# Altium PCB 28Pins_Project_1.1_PCB.PcbDoc (part 2 of 2)
Units mil, origin at the board's own origin, x right, y up, seen from the top; angles counter-clockwise.
Board outline 2700 x 2100 mil, 2 copper layers (L1, L2), stack 65.827 mil thick; 106 components, 71 nets, 323 pads, 107 vias.
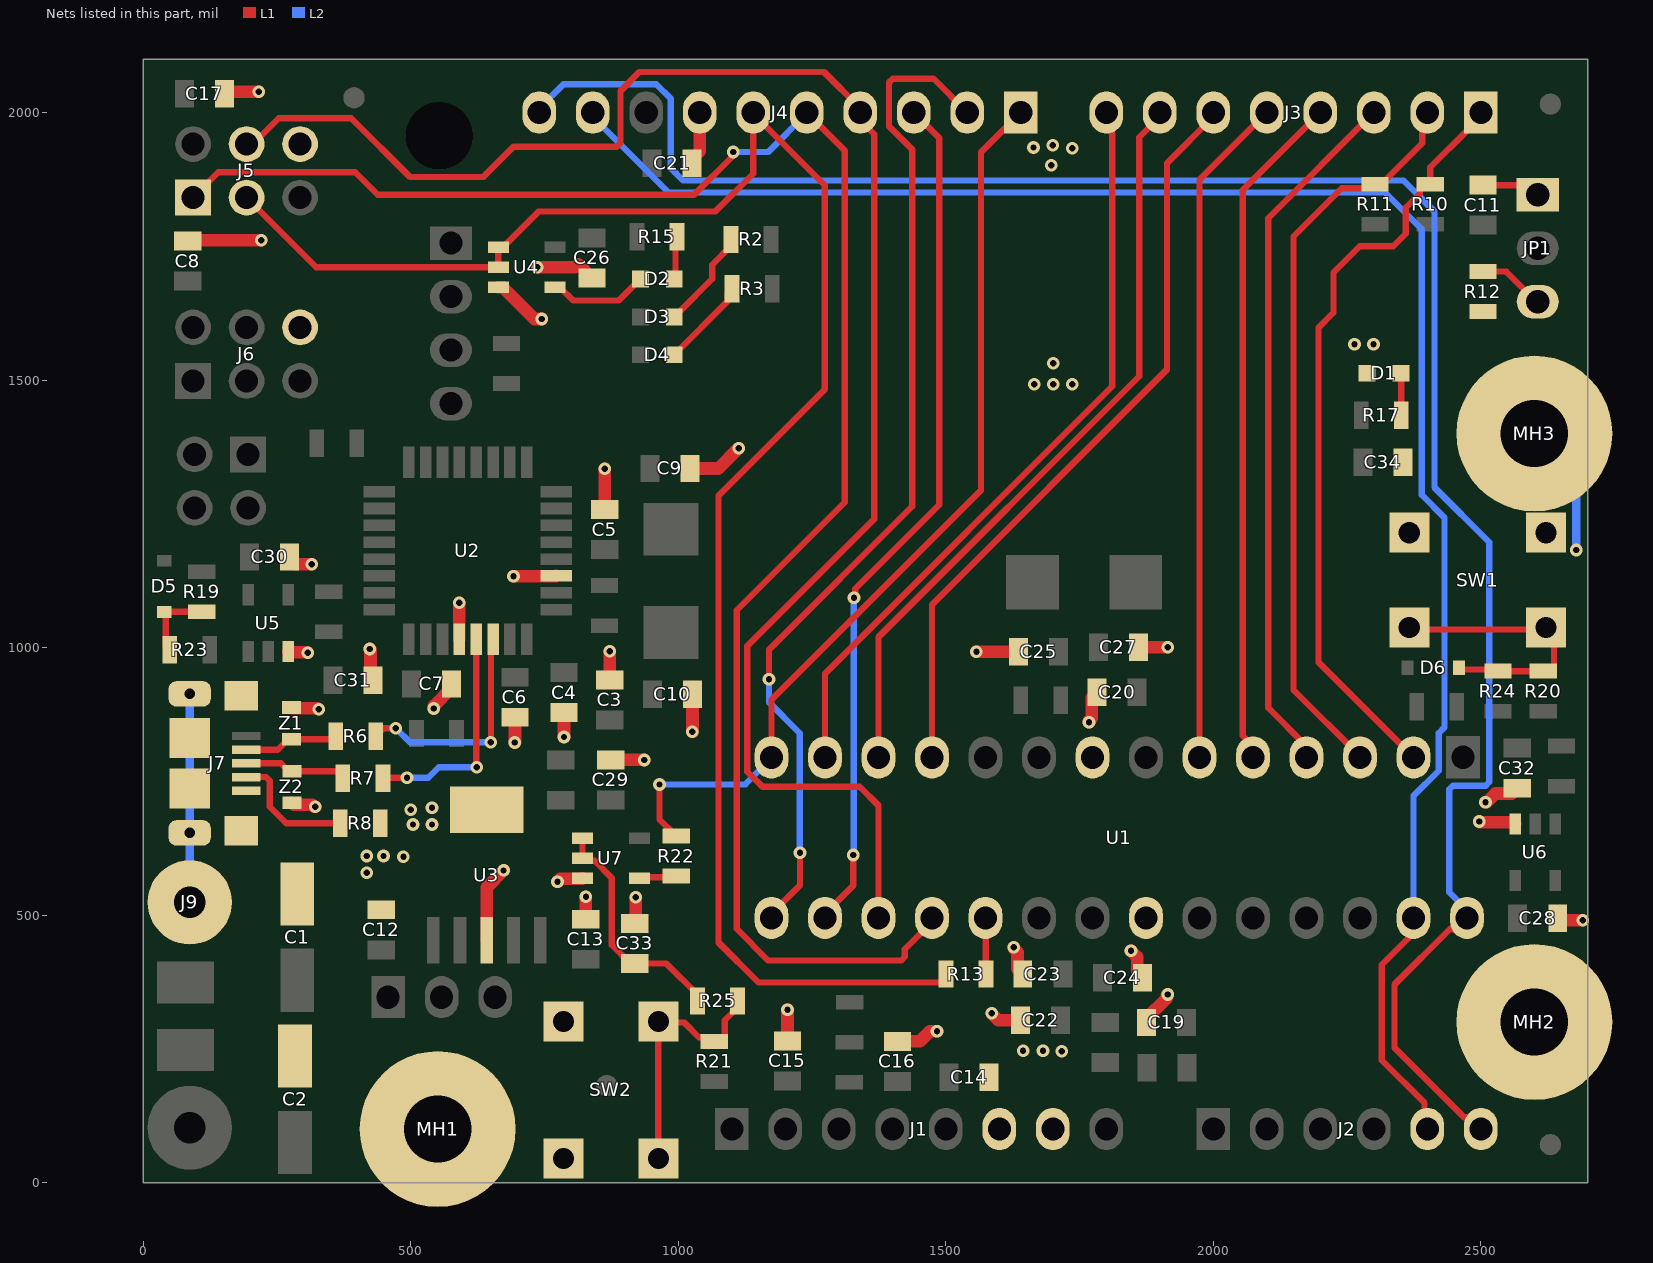
[diagram p2: the nets of this part, all layers, seen from the top]

## Via types
v1: diameter 23.62, hole 11.81, L1 to L2, 100 vias
v2: diameter 23.62, hole 11.81, L1 to L2, tented both sides, 7 vias

## Nets (pads, with @x,y where several pads share a name; then routed paths per layer and width w, separated by ;. In a path a pad name is that pad's centre, name@x,y a point inside that pad or via, vN(x,y) a via of type N, cw(c..) or ccw(c..) an arc to the next point about the centre after c; other vN are vias at no path point) (continued)
AD4/SDA: J2.5 J4.9 U1.27 | length 3427.8
  L1 w11.81: U1.27@2374.02,494.61 2364.22,484.81 2364.22,456.24 2314.96,406.98 2314.96,228.35 2394.73,148.58 2394.73,105.27 J2.5@2400,100
  L2 w11.81: J4.9@840,2000 840,1992.13 981.73,1850.39 2321.11,1850.39 2389.76,1781.74 2389.76,1285.24 2432.06,1242.94 2432.06,850.88 2421.26,840.08 2421.26,769.95 2374.02,722.7 U1.27@2374.02,494.61
AD5/SCL: J2.6 J4.10 U1.28 | length 3847.5
  L1 w11.81: U1.28@2474.02,494.61 2468.04,494.61 2446.57,473.13 2441.64,473.13 2338.58,370.08 2338.58,251.97 2468.35,122.2 2471.82,122.2 2494.02,100 J2.6@2500,100
  L2 w11.81: J4.10@740,2000 740,2007.87 785.28,2053.15 958.75,2053.15 985.63,2026.27 985.63,1896.26 1009.06,1872.83 2355.51,1872.83 2413.39,1814.96 2413.39,1299.21 2515.75,1196.85 2515.75,748.77 2508.83,741.85 2447.86,741.85 2440.94,734.93 2440.94,542.86 2474.02,509.79 U1.28@2474.02,494.61
BUTTON_RESETn: D6.2 R20.1 R24.1 SW1.1 SW1.2 | length 534.9
  L1 w11.81: SW1.2@2366.14,1037.4 2369.69,1033.86 2618.5,1033.86 SW1.1@2622.05,1037.4 2636.61,1022.83 2636.61,963.78 R20.1@2628.74,955.91 ; D6.2@2459.03,961.81 2461.98,958.86 2528.94,958.86 R24.1@2532.48,955.31 ; R24.1@2531.89,955.91 R24.1@2532.48,955.31 ; R20.1@2616.93,955.91 R20.1@2628.74,955.91 ; R24.1@2532.48,955.31 2533.07,955.91 R20.1@2628.74,955.91
CON_USB_N: J7.2 R6.1 Z1.2 | length 178
  L1 w11.81: J7.2@191.93,809.06 251.18,809.06 270.87,828.74 353.94,828.74 R6.1@359.45,834.25
CON_USB_P: J7.3 R7.1 Z2.2 | length 195.3
  L1 w11.81: J7.3@191.93,783.46 257.09,783.46 271.65,768.9 364.96,768.9 372.83,761.02 R7.1@372.83,755.91
GND: C1.2 C2.2 C3.1 C4.1 C5.2 C6.1 C7.1 C8.1 C9.1 C10.1 C12.1 C13.1 C14.1 C15.1 C16.1 C17.1 C19.1 C20.1 C21.1 C22.1 C23.1 C24.1 C25.1 C26.1 C27.1 C28.1 C29.1 C30.1 C31.1 C32.1 C33.1 C34.1 D1.1 J1.6 J1.7 J4.7 J5.6 J6.6 J7.5 J7.6 J7.7 J7.8 J7.9 J7.10 J7.11 J9.1 MH1.1 MH2.1 MH3.1 R8.2 R12.1 SW1.3 SW1.4 SW2.3 SW2.4 U1.8 U1.22 U2.3 U2.28 U3.3 U3.6 U4.3 U5.3 U6.3 U7.3 Z1.1 Z2.1 | length 3136.8
  L1 w23.62: C8.1@82.68,1759.84 C8.1@84.26,1761.43 ; C8.1@84.27,1761.42 v1(220.47,1761.42) ; C17.1@151.57,2035.43 154.95,2038.81 v1(215.78,2038.81) ; U5.3@270.42,992.37 271.53,991.26 306.37,991.26 v1(307.48,990.16) ; C30.1@273.23,1169.29 273.23,1165.75 283.07,1155.91 v1(314.96,1155.91) ; Z1.1@276.77,887.8 278.29,886.28 326.1,886.28 v1(327.61,884.77) ; Z2.1@277.56,709.84 281.5,705.91 315.71,705.91 319.11,702.51 v1(321.24,702.51) ; v1(422.93,997.15) 424.44,995.64 424.44,943.28 C31.1@429.13,938.58 ; v1(542.91,886.06) 542.91,890.94 575.98,924.02 C7.1@575.98,931.89 ; U2.28@590.55,1015.75 v1(590.55,1083.46) ; U3.3@641.73,452.76 641.73,551.81 673.23,583.3 v1(673.23,583.36) ; U4.3@663.39,1673.23 672.24,1673.23 731.3,1614.17 v1(744.88,1614.17) ; v1(691.73,1133.07) 770.87,1133.07 U2.3@771.65,1133.86 ; v1(694.09,822.44) 694.49,822.83 C6.1@694.49,869.69 ; v1(736.14,1710.72) 807.18,1710.72 812.99,1716.54 C26.1@838.58,1690.94 ; v1(774.02,562.2) 779.72,567.91 819.88,567.91 U7.3@820.87,568.9 ; v1(786.22,832.68) C4.1@786.22,878.35 ; C13.1@826.77,492.13 827.17,492.52 v1(827.17,534.25) ; C5.2@862.2,1257.87 862.2,1333.86 v1(862.6,1334.25) ; C3.1@871.65,939.37 v1(871.65,993.31) ; C29.1@873.62,790.16 873.84,789.94 936.05,789.94 v1(936.27,789.71) ; C33.1@918.11,484.25 920.28,486.42 v1(920.28,533.27) ; C9.1@1021.65,1334.65 1074.8,1334.65 v1(1112.6,1372.44) ; C21.1@1025.59,1905.51 1025.59,1913.39 1040,1927.8 J4.7@1040,2000 ; v1(1025.98,842.52) 1026.38,842.91 C10.1@1026.38,912.6 ; C15.1@1203.94,264.57 v1(1203.94,322.83) ; C16.1@1409.45,263.78 1451.18,263.78 1470.08,282.68 v1(1483.46,282.68) ; v1(1557.09,992.13) C25.1@1635.83,992.13 ; v1(1585.43,316.14) 1598.43,303.15 C22.1@1639.76,303.15 ; v1(1626.7,439.88) 1626.7,437.75 1633.86,430.6 1633.86,399.61 C23.1@1643.7,389.76 ; v1(1767.4,860.55) 1767.4,862.68 1772.83,868.11 1772.83,906.3 C20.1@1782.68,916.14 ; v1(1846.09,433.19) 1846.09,432.96 1857.48,421.57 1857.48,392.91 C24.1@1867.32,383.07 ; C27.1@1859.84,1000.79 v1(1914.91,1000.79) ; C19.1@1875.2,299.21 1875.2,307.09 1913.06,344.95 1913.06,350.07 v1(1914.57,351.57) ; v1(2496.85,674.8) 2498.36,673.3 2561.35,673.3 U6.3@2564.17,670.47 ; v1(2508.69,710.61) 2510.82,710.61 2527.38,727.17 2557.87,727.17 C32.1@2567.72,737.01 ; C28.1@2643.65,493.75 2646.97,490.43 v1(2690.42,490.43)
  L2 w15.75: J9.1@86.61,523.62 J7.9@86.61,653.54 J7.8@86.61,913.39 ; MH3.1@2600,1400 2678.35,1321.65 v1(2678.35,1182.28)
  other v1: 1681.5,246.06 417.32,578.74 486.01,609.17 417.32,610.24 448.82,610.24 503.94,669.29 539.37,669.29 500,696.85 539.37,700.79 1665.35,1492.13 1700.79,1492.13 1736.22,1492.13 1700.79,1531.5 2263.78,1566.93 2299.21,1566.93 1696.82,1901.46 1736.22,1933.07 1663.84,1934.69 1699.98,1938.58
  other v2: 1644.27,246.14 1716.4,245.64
IO0: J3.1 R10.2 U1.2 | length 1448.4
  L1 w11.81: U1.2@2374.02,794.61 2196.42,972.21 2196.42,1598.02 2224.41,1626.01 2224.41,1700.79 2273.62,1750 2336.33,1750 2359.65,1773.31 2359.65,1822.24 2385.83,1848.43 2385.83,1858.27 2393.7,1866.14 R10.2@2405.51,1866.14 2405.51,1897.64 2474.41,1966.54 2500,1992.13 J3.1@2500,2000
IO1: J3.2 R11.2 U1.3 | length 1399.3
  L1 w11.81: U1.3@2274.02,794.61 2274.02,796.85 2149.61,921.26 2149.61,1767.72 2240.16,1858.27 2306.1,1858.27 2321.85,1874.02 2390.21,1942.37 2390.21,1990.21 J3.2@2400,2000
IO2: J3.3 U1.4 | length 1316.9
  L1 w11.81: U1.4@2174.02,794.61 2174.02,815.5 2102.36,887.15 2102.36,1802.36 J3.3@2300,2000
IO3: J3.4 U1.5 | length 1273.2
  L1 w11.81: U1.5@2074.02,794.61 2074.02,816.09 2055.12,834.99 2055.12,1855.12 J3.4@2200,2000
IO4: J3.5 U1.6 | length 1258.1
  L1 w11.81: U1.6@1974.02,794.61 1974.02,1874.02 J3.5@2100,2000 J3.5@2100.39,1999.61
IO5: J3.6 U1.11 | length 1423.3
  L1 w11.81: U1.11@1474.02,794.61 1474.02,1080.31 1913.39,1519.69 1913.39,1905.51 2000,1992.13 J3.6@2000,2000
IO6: J3.7 U1.12 | length 1423.3
  L1 w11.81: U1.12@1374.02,794.61 1374.02,1019.69 1861.52,1507.19 1861.52,1953.65 1900,1992.13 J3.7@1900,2000
IO7: J3.8 U1.13 | length 1432.4
  L1 w11.81: U1.13@1274.02,794.61 1274.02,951.18 1811.02,1488.19 1811.02,1959.62 1809.79,1960.85 1809.79,1990.21 J3.8@1800,2000
IO8: J4.1 R22.2 U1.14 | length 1739.3
  L1 w11.81: v1(964.57,744.09) 964.57,679.13 R22.2@996.06,647.64 ; U1.14@1174.02,794.61 1174.02,902.36 1565.71,1294.06 1565.71,1925.71 J4.1@1640,2000
  L2 w11.81: v1(964.57,744.09) 1125.21,744.09 1174.02,792.9 U1.14@1174.02,794.61
IO9: J4.2 U1.15 | length 1911.7
  L1 w11.81: v1(1169.29,940.94) 1169.52,941.17 1169.52,996.29 1437.01,1263.78 1437.01,1930.83 1393.7,1974.14 1393.7,2056.07 1400.62,2062.99 1477.01,2062.99 J4.2@1540,2000 ; U1.15@1174.02,494.61 1174.02,502.48 1227.36,555.83 v1(1227.36,616.14)
  L2 w11.81: v1(1169.29,940.94) 1169.29,897.64 1226.87,840.06 1226.87,616.63 v1(1227.36,616.14)
MISO: J4.5 J5.1 U1.18 | length 3327
  L1 w11.81: J5.1@92.91,1840.94 140.16,1888.19 395.98,1888.19 437.77,1846.4 1029.27,1846.4 1102.36,1919.49 v1(1102.36,1926.28) ; J4.5@1240,2000 1311.02,1928.98 1311.02,1271.65 1108.9,1069.53 1108.9,474.12 1168.16,414.86 1416.31,414.86 1423.23,421.78 1423.23,435.94 1474.02,486.73 U1.18@1474.02,494.61
  L2 w11.81: v1(1102.36,1926.28) 1167.66,1926.28 1240,1998.62 J4.5@1240,2000
MOSI: J4.4 J5.4 U1.17 | length 3201.4
  L1 w11.81: J5.4@192.91,1940.94 204.72,1940.94 253.15,1989.37 388.58,1989.37 498.43,1879.53 635.43,1879.53 691.68,1935.78 884.81,1935.78 891.73,1942.7 891.73,2040.35 927.17,2075.79 1272.09,2075.79 J4.4@1339.57,2008.31 ; J4.4@1340,2000 1340,1985.76 1366.14,1959.62 1366.14,1240.16 1128.74,1002.76 1128.74,767.98 1157.24,739.48 1339.26,739.48 1374.02,704.72 U1.17@1374.02,494.61
NetC11_2: C11.2 JP1.1 | length 109.7
  L1 w11.81: C11.2@2503.94,1864.17 2588.58,1864.17 JP1.1@2606.3,1846.46
NetD1_2: D1.2 R17.1 | length 79.1
  L1 w11.81: D1.2@2350.39,1512.8 2350.89,1512.3 2350.89,1434.55 R17.1@2351.38,1434.06
NetD2_1: D2.1 U4.4 | length 186.4
  L1 w11.81: U4.4@769.69,1673.23 778.54,1673.23 803.15,1648.62 888.78,1648.62 D2.1@929.13,1688.98
NetD2_2: D2.2 R15.1 | length 81.3
  L1 w11.81: D2.2@992.13,1688.98 994.69,1691.54 994.69,1765.55 R15.1@997.24,1768.11
NetD3_2: D3.2 R2.1 | length 188.7
  L1 w11.81: D3.2@992.13,1618.11 1001.97,1627.95 1062.99,1688.98 1062.99,1715.55 1098.43,1750.98 R2.1@1098.43,1762.8
NetD4_2: D4.2 R3.2 | length 167.9
  L1 w11.81: D4.2@992.13,1547.24 1092.52,1647.64 1092.52,1662.4 R3.2@1100.39,1670.28
NetD5_2: D5.2 R19.1 R23.1 | length 143.5
  L1 w11.81: D5.2@39.37,1066.17 D5.2@41.87,1066.17 ; R23.1@49.21,996.06 41.87,1003.41 D5.2@41.87,1066.17 ; R19.1@109.4,1067 108.99,1066.59 42.28,1066.59 D5.2@41.87,1066.17
NetJ7_4: J7.4 R8.1 | length 240.6
  L1 w11.81: J7.4@191.93,757.87 229.3,757.87 236.22,750.96 236.22,702.17 267.13,671.26 R8.1@368.11,671.26
NetJP1_3: JP1.3 R12.2 | length 125.7
  L1 w11.81: R12.2@2503.94,1702.76 2547.24,1702.76 2603.54,1646.46 JP1.3@2606.3,1646.46
NetR22_1: R22.1 U7.4 | length 70.5
  L1 w11.81: U7.4@927.17,568.9 929.13,570.87 994.09,570.87 R22.1@996.06,572.83
SCK: J4.6 J5.3 R13.2 U4.1 U4.2 | length 3365.8
  L1 w11.81: J5.3@192.91,1840.94 323.23,1710.63 U4.2@663.39,1710.63 U4.1@663.39,1748.03 672.24,1748.03 739.17,1814.96 1069.08,1814.96 1140,1885.88 1140,1985.98 J4.6@1140,2000 1140,1997.8 1273.62,1864.17 1273.62,1482.28 1074.94,1283.6 1074.94,448.69 1149.61,374.02 1492.13,374.02 1500,381.89 R13.2@1500,389.76
SCK_R: R13.1 U1.19 | length 105.2
  L1 w11.81: U1.19@1574.02,494.61 1574.41,494.21 1574.41,390.16 R13.1@1574.8,389.76
SS: J4.3 U1.16 | length 1613.6
  L1 w11.81: U1.16@1274.02,494.61 1274.02,502.48 1326.77,555.24 v1(1326.77,612.2) ; v1(1328.25,1093.01) 1330.43,1095.19 1330.43,1109.95 1487.66,1267.19 1487.66,1952.34 J4.3@1440,2000
  L2 w11.81: v1(1326.77,612.2) 1327.76,613.19 1327.76,1092.52 v1(1328.25,1093.01)
USB_N: R6.2 U2.30 | length 426.7
  L1 w11.81: R6.2@434.25,834.25 449.11,849.11 v1(471.95,849.11) ; v1(649.21,822.83) 649.61,823.23 649.61,1011.81 U2.30@653.54,1015.75
  L2 w11.81: v1(471.95,849.11) 498.23,822.83 v1(649.21,822.83)
USB_P: R7.2 U2.29 | length 425.2
  L1 w11.81: R7.2@447.64,755.91 450.59,758.86 452.76,756.69 v1(492.77,756.69) ; U2.29@622.05,1015.75 622.44,1015.35 622.44,776.77 v1(622.83,776.38)
  L2 w11.81: v1(492.77,756.69) 532.71,756.69 552.39,776.38 v1(622.83,776.38)
USER_BUTTON: R21.1 R25.1 SW2.1 SW2.2 | length 476.3
  L1 w11.81: SW2.2@962.6,45.28 SW2.1@962.6,301.18 964.75,299.03 1010.8,299.03 1038.17,271.65 1070.87,271.65 1078.74,263.78 1086.61,271.65 1086.61,303.54 1110.63,327.56 R25.1@1110.63,339.37
USER_BUTTON_BUF: C33.2 R25.2 U7.1 U7.2 | length 443.2
  L1 w11.81: U7.1@820.87,643.7 U7.2@820.87,606.3 825.79,601.38 843.5,601.38 875.59,569.29 875.59,444.09 910.24,409.45 977.56,409.45 1035.83,351.18 R25.2@1035.83,339.37
pads on no net: FID1.1 FID2.1 FID3.1 FID4.1 J1.1 J1.8 MH4.1 U2.5 U2.6 U2.7 U2.12 U2.14 U2.22 U2.23 U2.25 U2.26

## Polygon pours and split planes (outlines as drawn)
GND on L2 "GND_L02_P014" (solid, remove dead copper, pour order 14): 2681.1,2086.61 2681.1,2082.68 2681.1,1894.24 1015.21,1894.24 1003.94,1905.51 1003.94,2090.55 2681.1,2090.55
GND on L2 "GND_L02_P016" (solid, remove dead copper, pour order 16): 28.14,2027.72 228.93,2027.72 226.8,2025.59 226.8,986.63 308.41,986.63 319.96,975.09 319.96,700.15 379.34,700.15 394.29,685.2 393.84,684.76 393.84,578.9 760.43,578.9 811.61,527.72 929.72,527.72 1130.51,326.94 1433.66,326.94 1532.08,228.51 2260.43,228.51 2323.42,291.5 2465.15,291.5 2469.09,287.57 2469.09,23.79 2693.5,23.79 2705.31,35.6 2705.31,578.9 2536.02,578.9 2536.02,727.09 2480.9,727.09 2244.35,727.09 2244.35,744.26 2138.38,744.26 2134.44,748.2 2142.32,756.07 2142.32,1488.35 2236.38,1488.35 2324.8,1576.77 2299.05,1602.53 1677.75,1602.53 1548.71,1473.48 909.85,1473.48 784.05,1599.28 784.05,1740.32 729.11,1740.32 729.11,1500.16 449.4,1500.16 447.68,1501.89 447.68,1567.88 356.16,1567.88 354.92,1569.12 354.92,2098.59 350.98,2102.53 28.14,2102.53
+5V/3V3 on L2 "+5V/3V3_L02_P010" (solid, remove dead copper, pour order 10): 255.91,232.28 419.8,396.18 501.79,396.46 502.11,296.46 602.98,296.46 602.66,397.94 645.67,440.94 838.58,440.94 925.2,354.33 1019.69,354.33 1019.69,259.84 1074.8,259.84 1074.8,248.03 1125.98,196.85 1429.13,196.85 1460.63,165.35 1562.99,165.35 1562.99,11.81 2429.13,11.81 2448.82,31.5 2448.82,267.72 2318.9,267.72 2257.15,205.96 1511.31,205.96 1417.91,299.37 1113.97,299.37 905.51,507.87 795.28,507.87 747.71,555.44 395.67,555.44 395.67,389.76 375.98,370.08 318.9,370.08 318.9,460.63 287.4,492.13 287.4,625.98 291.34,629.92 255.91,665.35 203.84,665.35 204.86,666.38 204.86,2003.94 31.5,2003.94 15.75,1988.19 15.75,232.28
+3V3 on L2 "+3V3_L02_P006" (solid, remove dead copper, pour order 6): 618.11,303.15 728.35,303.15 728.35,263.78 795.28,196.85 1059.06,196.85 1059.06,150.11 1358.64,150 1358.64,55.49 1358.27,55.12 1362.2,51.18 1440.94,51.18 1440.94,145.94 1445,150 1406.81,188.19 1126.77,188.19 1062.99,251.97 901.57,251.97 901.57,350.39 826.77,425.2 645.67,425.2 606.3,385.83 618.11,374.02
+5V on L2 "+5V_L02_P005" (solid, remove dead copper, pour order 5): 11.81,11.81 7.87,15.75 7.87,220.47 259.84,220.47 425.2,385.83 488.19,385.83 488.19,287.4 732.28,287.4 732.28,283.46 822.83,192.91 826.77,196.85 1051.18,196.85 1051.18,153.54 1051.18,39.13 1450,41.88 1450,58.88 1450,153.54 1547.24,150 1547.24,146.7 1547.24,11.81
+5V/3V3 on L2 "+5V/3V3_L02_P012" (solid, remove dead copper, pour order 12): 355.56,1710.63 355.56,1561.27 389.51,1561.27 448.82,1561.27 448.82,1500 681.1,1500 704.72,1523.62 704.72,1751.97 783.24,1751.97 783.25,1728.57 783.24,1602.36 854.33,1602.36 877.95,1578.74 1208.66,1578.74 1208.66,1661.42 1220.47,1673.23 1255.91,1673.23 1255.91,1779.53 634.69,1779.53 634.69,1710.63
+5V_USB on L2 "+5V_USB_L02_P008" (solid, remove dead copper, pour order 8): 220.47,677.17 271.65,677.17 311.02,637.8 311.02,500 334.65,476.38 334.65,381.89 370.08,381.89 370.08,677.17 303.15,677.17 295.28,685.04 295.28,960.63 220.47,960.63
+5V_USB on L2 "+5V_USB_L02_P026" (solid, remove dead copper, pour order 26): 327.29,378.18
+5V_USB on L2 "+5V_USB_L02_P025" (solid, remove dead copper, pour order 25): 334.65,381.89 334.65,464.57 370.08,464.57 370.08,381.89 334.65,381.89
+5V/3V3_328P_VCC on L2 "+5V/3V3_328P_VCC_L02_P004" (solid, remove dead copper, pour order 4): 1944.48,374.69 2043.31,379.49 2043.31,662.29 1770.98,668.35 1909.73,433.5 1909.73,377.02
+5V/3V3_328P_VCC on L2 "+5V/3V3_328P_VCC_L02_P024" (solid, remove dead copper, pour order 24): 1818.9,401.57
+5V/3V3_328P_VCC on L2 "+5V/3V3_328P_VCC_L02_P018" (solid, remove dead copper, pour order 18): 1905.67,389.91
GND on L2 "GND_L02_P017" (solid, remove dead copper, pour order 17): 15.75,1988.19
GND on L2 "GND_L02_P015" (solid, remove dead copper, pour order 15): 2720.47,2074.8
GND on L2 "GND_L02_P013" (solid, remove dead copper, pour order 13): 2685.04,2086.61
+5V/3V3 on L2 "+5V/3V3_L02_P011" (solid, remove dead copper, pour order 11): 23.62,232.28
+5V/3V3 on L2 "+5V/3V3_L02_P009" (solid, remove dead copper, pour order 9): 7.87,232.28
+3V3 on L2 "+3V3_L02_P007" (solid, remove dead copper, pour order 7): 610.24,311.02
GND on L1 "NONET_L01_P-001" (solid, remove dead copper, pour order 54): 11.81,437.01 118.11,437.01 153.54,472.44 381.89,472.44 381.89,354.33 377.95,354.33 322.83,299.21 232.28,299.21 232.28,161.42 233.88,159.82 391.73,159.82 391.73,4.35 391.56,4.18 391.61,4.13 834.75,4.13 834.75,86.23 835.5,86.98 835.12,87.35 794.27,87.35 794.27,254.9 795.28,255.91 830.71,255.91 830.71,342.52 744.09,342.52 744.09,287.4 409.45,287.4 409.45,472.9 409.3,473.05 410.43,474.17 410.43,488.41 472.22,488.41 472.44,488.19 472.44,586.61 523.62,586.61 586.61,649.61 710.67,649.61 710.67,739.55 710.29,739.93 574.23,739.93 574.23,731.71 555.12,712.6 554.78,712.94 410.79,712.94 410.79,665.71 347.45,602.36 240.16,602.36 240.16,669.29 222.22,687.23 222.22,739.55 145.75,739.55 130.01,755.3 130.01,869.24 215.1,869.24 217.72,871.86 217.35,872.24 217.35,948.7 12.68,948.7 11.56,947.58 11.81,947.33
GND on L1 "NONET_L01_P-001" (solid, remove dead copper, pour order 50): 2467.13,1647.15 2467.13,1606.4 2366.65,1606.4 2342.45,1582.2 2243.81,1582.2 2243.81,1488.15 2330.1,1488.16 2330.1,1157.01 2685.15,1157.01 2685.15,1588.58 2694.42,1597.84 2547.07,1598.15 2547.07,1645.94 2551.67,1650.53 2549.22,1652.98 2468.34,1652.98 2468.34,1647.47 2467.42,1646.55
GND on L1 "NONET_L01_P-001" (solid, remove dead copper, pour order 52): 1640.82,1456.69 1752.88,1456.69 1752.88,1950 1640.82,1950
+5V on L1 "+5V_L01_P034" (solid, remove dead copper, pour order 34): 499.99,300.95 502,302.97 501.5,303.47 501.5,394.05 610.2,394.05 619.76,403.62 619.76,521.88 488.92,521.88 484.89,517.85 484.89,461.49 417.96,461.49 415.95,463.5 415.95,301.46 420.98,301.46 421.48,300.95
GND on L1 "NONET_L01_P-001" (solid, remove dead copper, pour order 56): 19.69,440.94
GND on L1 "NONET_L01_P-001" (solid, remove dead copper, pour order 55): 11.81,437.01
GND on L1 "NONET_L01_P-001" (solid, remove dead copper, pour order 53): 1641.73,1503.94
GND on L1 "NONET_L01_P-001" (solid, remove dead copper, pour order 51): 2452.76,1633.86
+5V/3V3_328P_VCC on L1 "NONET_L01_P-001" (solid, remove dead copper, pour order 49): 1921.26,185.04 1921.5,184.8 1983.39,184.8 1983.39,374.88 1940.94,417.32 1900.34,417.32 1899.92,416.91 1899.92,371.58 1935.5,371.58 1937.27,369.82 1937.27,339.21 1933.7,339.21 1905.51,311.02 1905.51,185.04
+5V/3V3_328P_AVCC on L1 "NONET_L01_P-001" (solid, remove dead copper, pour order 48): 1637.8,539.37 1637.8,462.21 1686.61,413.38 1688.98,413.39 1688.98,271.65 1690.59,270.04 1837.64,270.04 1837.64,318.38 1824.21,331.81 1747.17,331.65 1747.17,423.29 1751.1,427.23 1748.56,429.76 1714.81,429.76 1714.81,537.16 1712.6,539.37
GND on L1 "NONET_L01_P-001" (solid, remove dead copper, pour order 47): 1559.19,50
GND on L1 "NONET_L01_P-001" (solid, remove dead copper, pour order 46): 1559.06,59.06 1744.09,59.06 1744.1,263.78 1559.06,263.78
+5V on L1 "NONET_L01_P-001" (solid, remove dead copper, pour order 45): 1458.85,50
+5V on L1 "NONET_L01_P-001" (solid, remove dead copper, pour order 44): 1461.64,55.64 1548.75,55.74 1544.99,59.5 1544.99,342.52 1373.54,342.52 1361.73,354.33 1289.25,354.33 1289.25,312.31 1288.42,311.48 1288.83,311.06 1508.21,311.06 1508.21,262.17 1492.75,246.71 1464.86,246.71 1459.74,57.53
+3V3 on L1 "NONET_L01_P-001" (solid, remove dead copper, pour order 43): 1358.41,55.21 1454.72,55.56 1454.72,226.42 1452.93,228.2 1282.69,228.2 1281.93,212.99 1282.69,185.33 1281.93,152.22 1351.64,152.22 1358.41,145.45
+5V/3V3 on L1 "NONET_L01_P-001" (solid, remove dead copper, pour order 42): 1236.22,236.22
+5V/3V3 on L1 "NONET_L01_P-001" (solid, remove dead copper, pour order 41): 1236.22,236.22
+5V/3V3 on L1 "NONET_L01_P-001" (solid, remove dead copper, pour order 38): 1157.62,54.88 1248.28,54.88 1248.54,55.4 1248.54,188.19 1261.37,188.19 1310.4,237.77 1353.92,237.78 1357.6,241.46 1357.6,286.92 1243.94,286.91 1243.94,228.58 1157.62,228.58
+5V/3V3 on L1 "+5V/3V3_L01_P036" (solid, remove dead copper, pour order 36): 19.69,1539.37
+5V/3V3 on L1 "+5V/3V3_L01_P035" (solid, remove dead copper, pour order 35): 52.88,1548.43 52.88,1704.72 291.34,1704.72 307.09,1688.98 496.06,1688.98 496.06,1629.92 157.48,1629.92 141.73,1614.17 141.73,1594.49 95.67,1548.43
+5V_USB on L1 "+5V_USB_L01_P032" (solid, remove dead copper, pour order 32): 12.86,425.2 12.86,311.62 14.43,313.18 322.5,313.18 377.95,368.64 377.95,464.57 159.16,464.57 119.79,425.2
+3V3 on L1 "+3V3_L01_P033" (solid, remove dead copper, pour order 33): 609.77,298.02 735.9,298.28 735.9,343.64 742.99,350.73 857.67,350.41 857.67,440.93 786.77,440.93 786.77,508.33 785.46,507.02 673.76,507.02 673.76,390.85 609.77,390.85
+5V on L1 "+5V_L01_P030" (solid, remove dead copper, pour order 30): 13.89,279.53 32.18,279.53 157.48,279.53 157.48,157.48 334.65,157.48 334.65,15.75 336.4,13.99 13.89,13.99
+5V on L1 "+5V_L01_P031" (solid, remove dead copper, pour order 31): 35.43,299.21

## Other copper
L2:
  pour cut-out: 2426.59,736.63 2402.08,736.63 2387.13,721.68 2387.55,721.26 2387.55,541.45 2412.88,516.12 2412.88,470.43 2434.48,470.43 2437.38,473.34 2437.38,531.89 2435.31,531.89 2427,540.2 2427,736.21 2425.21,736.21 2425.2,736.22

## Silkscreen, mask and mechanical layers (free items; w line width, h text height)
Top Overlay:
  text "ICSP" at 234.25,2009.84 h27.56
  text "Mehdi_KH Design" at 1238.19,1769.02 h68.9
  text "U" at 1034.46,1680.65 h19.68
  text "Arduino UNO" at 1516.93,1670.47 h39.37
  text "ICSP" at 226.3,1662.55 h31.5
  text "TX" at 1034.54,1597.9 h19.68
  text "Designed with ALTIUM" at 1374.02,1588.45 h39.37
  text "RX" at 1034.56,1536.38 h19.68
  text "PCB Design Tunisia" at 1312.99,1395.66 h47.24
  text "3" at 7.87,1352.25 h31.5
  text "Challenge Everything" at 1429.92,1321.65 h29.53
  text "2" at 261.14,1248.21 h39.37
  text "4" at 7.87,1238.76 h31.5
  text "RESET" at 2289.37,1045.28 h39.37 r90
  text "14" at 1157.48,909.45 h31.5 r270
  text "10" at 1559.06,909.45 h31.5 r270
  text "4" at 2157.48,885.83 h31.5 r270
  text "5" at 2086.61,866.14 h31.5 r90
  text "16" at 1256.76,425.53 h31.5 r270
  text "25" at 2158.11,425.59 h31.5 r270
  text "USER" at 736.22,129.92 h31.5 r90
Bottom Overlay:
  lines w7.87: 453.71,266.72 455.33,265.1 ; 480.31,633.86 480.31,649.61 ; 480.31,661.42 535.43,661.42 ; 556.44,265.1 557.48,266.14 ; 582.68,661.42 637.8,661.42 ; 641.73,633.86 641.73,649.61
  lines w10: 520.78,1255.26 757,1255.26 ; 599.52,782.82 599.52,1334 ; 678.26,782.82 678.26,1334 ; 520.78,782.82 520.78,812.35 520.78,1334 757,1334 757,782.82 520.78,782.82
  lines w13.78: 453.71,265.91 453.71,282 ; 455.33,265.1 556.44,265.1 ; 557.48,266.14 557.48,283
  lines w15.75: 557,437 557.48,659.84
  lines w19.68: 86.61,385.83 86.61,425.2 ; 633.86,1452.76 679,1452.76 679,1553.28 637.71,1553.28
  lines w21.65: 2669,1849.01 2685.04,1849.01 2685.04,1746.46 2671,1746.46
  text "AR/DF" at 2630.71,2059.84 h31.5 r90
  text "0 RX (IN)" at 2515.48,1933.43 h86.61 r90
  text "2" at 2328.99,1932.18 h86.61 r90
  text "1 TX (OUT)" at 2407.99,1932.43 h86.61 r90
  text "AD4/SDA" at 868.23,1931.44 h86.61 r90
  text "9" at 1567.36,1929.76 h86.61 r90
  text "8" at 1666.82,1929.76 h86.61 r90
  text "6" at 1926.61,1929.65 h86.61 r90
  text "4" at 2128,1929.65 h86.61 r90
  text "3" at 2224.92,1929.65 h86.61 r90
  text "AD5/SCL" at 759.43,1929.29 h86.61 r90
  text "11" at 1364,1928.63 h86.61 r90
  text "AREF" at 968.43,1928.4 h86.61 r90
  text "GND" at 1064.29,1928.33 h86.61 r90
  text "13" at 1165.67,1928.22 h86.61 r90
  text "12" at 1268.69,1928.42 h86.61 r90
  text "10" at 1460.17,1928.39 h86.61 r90
  text "7" at 1824.64,1928.38 h86.61 r90
  text "5" at 2023.31,1928.39 h86.61 r90
  text "dW/PROG/ISP" at 506.52,1808.01 h39.37 r90
  text "BOARD VARIANT" at 501.09,1334 h70.87 r90
  text "FIXED 5V" at 579.83,1235.57 h70.87 r90
  text "5V / 3V3" at 658.57,1235.57 h70.87 r90
  text "CUSTOM" at 737.31,1235.57 h70.87 r90
  text "3.3V" at 678.98,592.36 h47.24 r90
  text "5V" at 501.81,549.06 h47.24 r90
  text "+5V INPUT POWER" at 226.22,497.87 h31.5 r90
  text "RESET" at 1333.33,426.82 h86.61 r90
  text "(OPTIONAL)" at 295.95,405.51 h59.06 r90
  text "3.3/5V" at 1229.76,399.95 h86.61 r90
  text "+3.3V" at 1432.85,377.04 h86.61 r90
  text "GND" at 1621.27,338.79 h86.61 r90
  text "GND" at 1727.31,338.58 h86.61 r90
  text "+5V" at 1536.81,313.37 h86.61 r90
  text "NC" at 1129.16,285.33 h86.61 r90
  text "NC" at 1829.75,275.59 h86.61 r90
  text "A0" at 2030.45,267.72 h86.61 r90
  text "A2" at 2224.41,267.72 h86.61 r90
  text "A4" at 2425.2,267.72 h86.61 r90
  text "A3" at 2325.88,266.91 h86.61 r90
  text "A1" at 2125.98,259.84 h86.61 r90
  text "+" at 129.92,185.04 h78.74 r90
  text "A5" at 2628.88,141.73 h86.61 r90
Top SMD Top/SMD Bottom:
  text "ASSEMBLY TOP OF MYARDUINO" at 403.7,2332.83 h60
  text ".VersionRevision" at 1978.5,2332.83 h60
  text ".VariantName" at 880.08,2206.85 h60
board shape:
  lines w15: -7,-9 -7,2109 2708,2109 2708,-9 -7,-9
Bottom SMD Top/SMD Bottom:
  text "LICENCE" at 3964.02,2628.38 h60
  text "AUTHOR: FEDEVEL 2015" at 3971.9,2451.21 h60
  text "WEBSITE: http://www.28pins.com" at 3971.9,2352.79 h60
  text "This is a human-readable summary of the licence. Read full licence at:" at 3971.9,2155.94 h60
  text "https://creativecommons.org/licenses/by-sa/3.0/legalcode" at 3971.9,2057.51 h60
  text "LICENCE" at 4173.02,2058.38 h60
  text "AUTHOR: FEDEVEL 2015" at 4180.9,1881.21 h60
  text "You are free to:" at 3971.9,1860.66 h60
  text "WEBSITE: http://www.28pins.com" at 4180.9,1782.79 h60
  text "Share - copy and redistribute the material in any medium or format" at 3971.9,1762.24 h60
  text "Adapt - remix, transform, and build upon the material" at 3971.9,1663.81 h60
  text "This is a human-readable summary of the licence. Read full licence at:" at 4180.9,1585.94 h60
  text "for any purpose, even commercially." at 3971.9,1565.39 h60
  text "https://creativecommons.org/licenses/by-sa/3.0/legalcode" at 4180.9,1487.51 h60
  text "The licensor cannot revoke these freedoms as long as you follow the license terms." at 3971.9,1368.54 h60
  text "You are free to:" at 4180.9,1290.66 h60
  text "Share - copy and redistribute the material in any medium or format" at 4180.9,1192.24 h60
  text "Under the following terms:" at 3971.9,1171.69 h60
  text "LICENCE" at 4830.1,1119.46 h60
  text "Adapt - remix, transform, and build upon the material" at 4180.9,1093.81 h60
  text "Attribution - You must give appropriate credit, provide a link to the license, and" at 3971.9,1073.26 h60
  text "for any purpose, even commercially." at 4180.9,995.39 h60
  text "indicate if changes were made. You may do so in any reasonable manner, but not in any" at 3971.9,974.83 h60
  text "AUTHOR: FEDEVEL 2015" at 4837.98,942.3 h60
  text "way that suggests the licensor endorses you or your use." at 3971.9,876.41 h60
  text "WEBSITE: http://www.28pins.com" at 4837.98,843.87 h60
  text "The licensor cannot revoke these freedoms as long as you follow the license terms." at 4180.9,798.54 h60
  text "ShareAlike - If you remix, transform, or build upon the material, you must distribute your" at 3974.02,684.38 h60
  text "This is a human-readable summary of the licence. Read full licence at:" at 4837.98,647.02 h60
  text "Under the following terms:" at 4180.9,601.69 h60
  text "contributions under the same license as the original." at 3974.02,585.96 h60
  text "https://creativecommons.org/licenses/by-sa/3.0/legalcode" at 4837.98,548.6 h60
  text "Attribution - You must give appropriate credit, provide a link to the license, and" at 4180.9,503.26 h60
  text "indicate if changes were made. You may do so in any reasonable manner, but not in any" at 4180.9,404.83 h60
  text "No additional restrictions - You may not apply legal terms or technological measures" at 3964.02,360.66 h60
  text "You are free to:" at 4837.98,351.75 h60
  text "way that suggests the licensor endorses you or your use." at 4180.9,306.41 h60
  text "that legally restrict others from doing anything the license permits." at 3964.02,262.24 h60
  text "Share - copy and redistribute the material in any medium or format" at 4837.98,253.32 h60
  text "Adapt - remix, transform, and build upon the material" at 4837.98,154.9 h60
  text "ShareAlike - If you remix, transform, or build upon the material, you must distribute your" at 4183.02,114.38 h60
  text "Notices:" at 3964.02,65.39 h60
  text "for any purpose, even commercially." at 4837.98,56.47 h60
  text "contributions under the same license as the original." at 4183.02,15.96 h60
  text "You do not have to comply with the license for elements of the material in the public domain or where" at 3964.02,-33.04 h60
  text "your use is permitted by an applicable exception or limitation." at 3964.02,-131.46 h60
  text "The licensor cannot revoke these freedoms as long as you follow the license terms." at 4837.98,-140.38 h60
  text "No additional restrictions - You may not apply legal terms or technological measures" at 4173.02,-209.34 h60
  text "that legally restrict others from doing anything the license permits." at 4173.02,-307.76 h60
  text "No warranties are given. The license may not give you all of the permissions necessary for your" at 3964.02,-328.31 h60
  text "Under the following terms:" at 4837.98,-337.23 h60
  text "intended use. For example, other rights such as publicity, privacy, or moral rights may limit how you" at 3964.02,-426.74 h60
  text "Attribution - You must give appropriate credit, provide a link to the license, and" at 4837.98,-435.65 h60
  text "Notices:" at 4173.02,-504.61 h60
  text "use the material." at 3964.02,-525.17 h60
  text "indicate if changes were made. You may do so in any reasonable manner, but not in any" at 4837.98,-534.08 h60
  text "You do not have to comply with the license for elements of the material in the public domain or where" at 4173.02,-603.04 h60
  text "way that suggests the licensor endorses you or your use." at 4837.98,-632.5 h60
  text "your use is permitted by an applicable exception or limitation." at 4173.02,-701.46 h60
  text "Based on Arduino: http://www.arduino.cc/" at 3964.02,-722.02 h60
  text "ShareAlike - If you remix, transform, or build upon the material, you must distribute your" at 4840.1,-824.53 h60
  text "No warranties are given. The license may not give you all of the permissions necessary for your" at 4173.02,-898.31 h60
  text "contributions under the same license as the original." at 4840.1,-922.96 h60
  text "intended use. For example, other rights such as publicity, privacy, or moral rights may limit how you" at 4173.02,-996.74 h60
  text "use the material." at 4173.02,-1095.17 h60
  text "No additional restrictions - You may not apply legal terms or technological measures" at 4830.1,-1148.25 h60
  text "that legally restrict others from doing anything the license permits." at 4830.1,-1246.68 h60
  text "Based on Arduino: http://www.arduino.cc/" at 4173.02,-1292.02 h60
  text "Notices:" at 4830.1,-1443.53 h60
  text "You do not have to comply with the license for elements of the material in the public domain or where" at 4830.1,-1541.95 h60
  text "your use is permitted by an applicable exception or limitation." at 4830.1,-1640.38 h60
  text "No warranties are given. The license may not give you all of the permissions necessary for your" at 4830.1,-1837.23 h60
  text "intended use. For example, other rights such as publicity, privacy, or moral rights may limit how you" at 4830.1,-1935.65 h60
  text "use the material." at 4830.1,-2034.08 h60
  text "Based on Arduino: http://www.arduino.cc/" at 4830.1,-2230.93 h60
Mechanical Drawing:
  circle w40: c2587,1400 r62.99
  circle w40: c2598.48,299.44 r62.99
  circle w40: c550,100 r62.99
  circle w40: c551.73,1955.94 r62.99
  lines w40: 0,0 2700,0 2700,2100 0,2100 0,0
  text "Mechanical Drawing" at 580,2655.46 h177.17
  text "28 Pins" at 783,2321.13 h177.17
  text ".VersionRevision" at 1472,2321.13 h177.17
  text "Units : mils" at -1013,-574 h70
  text "Scale : 1:1" at -1019,-751 h70
manufacturing Notes:
  lines w7.87: 0,0 2700,0 2700,2100 0,2100 0,0
  lines w10: 6.13,-2394.57 3647.86,-2394.57 ; 6.13,-2391.61 6.13,-1997.91 ; 6.13,-1607.17 3647.86,-1607.17 ; 1580.93,-2000.87 1580.93,-1607.17 ; 2958.88,-1607.17 2958.88,-1311.89 ; 3647.86,-2391.61 3647.86,-1997.91 ; 6.13,-2000.87 3647.86,-2000.87 3647.86,-1311.89 6.13,-1311.89 6.13,-2000.87
  text "Files" at 571.81,4079.07 h60
  text "Board info" at 4804.09,4079.07 h60
  text "*.GTO - Top Overlay" at 571.81,3980.65 h60
  text "Minimum Track: 200um" at 4804.09,3980.65 h60
  text "*.GTP - Top Paste" at 571.81,3882.22 h60
  text "Minimum Gap: 200um" at 4804.09,3882.22 h60
  text "*.GTS - Top Solder" at 571.81,3783.8 h60
  text "Minimum Through Hole VIA: 0.6mm (pad) / 0.3mm (drill). Drilling: L1-L2" at 4804.09,3783.8 h60
  text "*.GTL - L1 (Positive)" at 571.81,3685.37 h60
  text "*.GBL - L2 (Positive)" at 571.81,3586.94 h60
  text "1. FINISHED PANEL THICKNESS IS NOT CRITICAL: TO BE APPROXIMATELY 1.6mm" at 4804.09,3586.94 h60
  text "*.GBS - Bottom Solder" at 571.81,3488.52 h60
  text "*.GBO - Bottom Overlay" at 571.81,3390.09 h60
  text "2. BOARD FINISH: IMMERSION Au/ELECTROLESS Ni; 0.05-0.12 um GOLD; 3-6um NICKEL" at 4804.09,3390.09 h60
  text "*.GM2 - Mechanical Drawing" at 571.81,3291.67 h60
  text "*.GM3 - Manufacturing Notes" at 571.81,3193.24 h60
  text "3. SOLDER RESIST: APPLY TO BOTH SIDES COLOUR - BLUE" at 4804.09,3193.24 h60
  text "*.GM4 - Licence" at 571.81,3094.82 h60
  text "*.GM28 - Board Outline" at 571.81,2996.39 h60
  text "4. COMPONENT IDENT: COLOUR TO BE WHITE" at 4804.09,2996.39 h60
  text "5. PANELIZE THE BOARD (4PCS PER PANEL). PLACE FIDUCIALS ON THE PANEL STRIPS AS FOLLOWS:" at 4804.09,2799.54 h60
  text "- FIDUCIAL DIAMTER 1-1.5MM, SOLDER MASK OPENING AT LEAST 1MM GREATER THAN FIDUCIAL" at 5000.94,2701.12 h60
  text "- MINIMUM 4MM DISTANCE FROM THE PANEL EDGE" at 5000.94,2602.69 h60
  text "- 3 FIDUCIALS SHOULD LIE ON TWO LINES THAT INTERSECT AT A RIGHT ANGLE" at 5000.94,2504.27 h60
  text "- PLACE ONE FIDUCIAL INTO EACH PANEL CORNER (FOUR ON THE TOP LAYER)" at 5000.94,2405.84 h60
  text "28Pins_project" at 222.66,-1508.74 h118.11
  text ".VersionRevision" at 3057.31,-1508.74 h118.11
  text "Designed by Engr. Mehdi_Khalfallah" at 1632,-1797 h60
  text "Copyright 2020" at 202.98,-1804.02 h60
  text "Mehdi_KH" at 202.98,-1902.44 h60
  text "Contact:" at 202.98,-2197.72 h60
  text "contact.mehdi.khalfallah@gmail.com" at 793.53,-2197.72 h60
Licence:
  text "LICENCE" at 4806.5,2058.38 h60
  text "AUTHOR: FEDEVEL 2015" at 4814.38,1881.21 h60
  text "WEBSITE: http://www.28pins.com" at 4814.38,1782.79 h60
  text "This is a human-readable summary of the licence. Read full licence at:" at 4814.38,1585.94 h60
  text "https://creativecommons.org/licenses/by-sa/3.0/legalcode" at 4814.38,1487.51 h60
  text "You are free to:" at 4814.38,1290.66 h60
  text "Share - copy and redistribute the material in any medium or format" at 4814.38,1192.24 h60
  text "Adapt - remix, transform, and build upon the material" at 4814.38,1093.81 h60
  text "for any purpose, even commercially." at 4814.38,995.39 h60
  text "The licensor cannot revoke these freedoms as long as you follow the license terms." at 4814.38,798.54 h60
  text "Under the following terms:" at 4814.38,601.69 h60
  text "Attribution - You must give appropriate credit, provide a link to the license, and" at 4814.38,503.26 h60
  text "indicate if changes were made. You may do so in any reasonable manner, but not in any" at 4814.38,404.83 h60
  text "way that suggests the licensor endorses you or your use." at 4814.38,306.41 h60
  text "ShareAlike - If you remix, transform, or build upon the material, you must distribute your" at 4816.5,114.38 h60
  text "contributions under the same license as the original." at 4816.5,15.96 h60
  text "No additional restrictions - You may not apply legal terms or technological measures" at 4806.5,-209.34 h60
  text "that legally restrict others from doing anything the license permits." at 4806.5,-307.76 h60
  text "Notices:" at 4806.5,-504.61 h60
  text "You do not have to comply with the license for elements of the material in the public domain or where" at 4806.5,-603.04 h60
  text "your use is permitted by an applicable exception or limitation." at 4806.5,-701.46 h60
  text "No warranties are given. The license may not give you all of the permissions necessary for your" at 4806.5,-898.31 h60
  text "intended use. For example, other rights such as publicity, privacy, or moral rights may limit how you" at 4806.5,-996.74 h60
  text "use the material." at 4806.5,-1095.17 h60
  text "Based on Arduino: http://www.arduino.cc/" at 4806.5,-1292.02 h60

## Dimensions
0,0 to 2421,300 on Mechanical Drawing
0,0 to 100,33 on Mechanical Drawing
0,0 to 612.99,100 on Mechanical Drawing
0,0 to 2524.01,1400 on Mechanical Drawing
0,0 to 588,1870 on Mechanical Drawing
0,0 to 762,2000 on Mechanical Drawing
0,0 to -24,921 on Mechanical Drawing
0,0 to 2000,29 on Mechanical Drawing
0,0 to 2500,1961 on Mechanical Drawing
0,0 to 2600,857 on Mechanical Drawing
0,0 to 550,94 on Mechanical Drawing
0,0 to 2700,0 on Mechanical Drawing
0,0 to 0,2100 on Mechanical Drawing

## Text inside footprints (layer, text, board x,y; h text height)
J1: Top SMD Top/SMD Bottom "1" at 1119.92,17.87 h39.37 r90
J2: Top SMD Top/SMD Bottom "1" at 2017.56,21.81 h39.37 r90
J3: Top SMD Top/SMD Bottom "1" at 2480,2100 h39.37 r270
J4: Top SMD Top/SMD Bottom "1" at 1620,2100 h39.37 r270
J5: Top Overlay "1" at 13.78,1826.77 h39.37
J6: Top Overlay "1" at 66.93,1425.2 h39.37 r90
JP1: Top Overlay "1" at 2671,1854 h39.37
JP2: Top Overlay "1" at 263.78,1354.33 h39.37
JP3: Top SMD Top/SMD Bottom "1" at 474.8,1735.91 h39.37
JP4: Top Overlay "1" at 477.48,246.46 h39.37 r90